# Altium PCB mppt.PcbDoc (part 4 of 5) (continued)
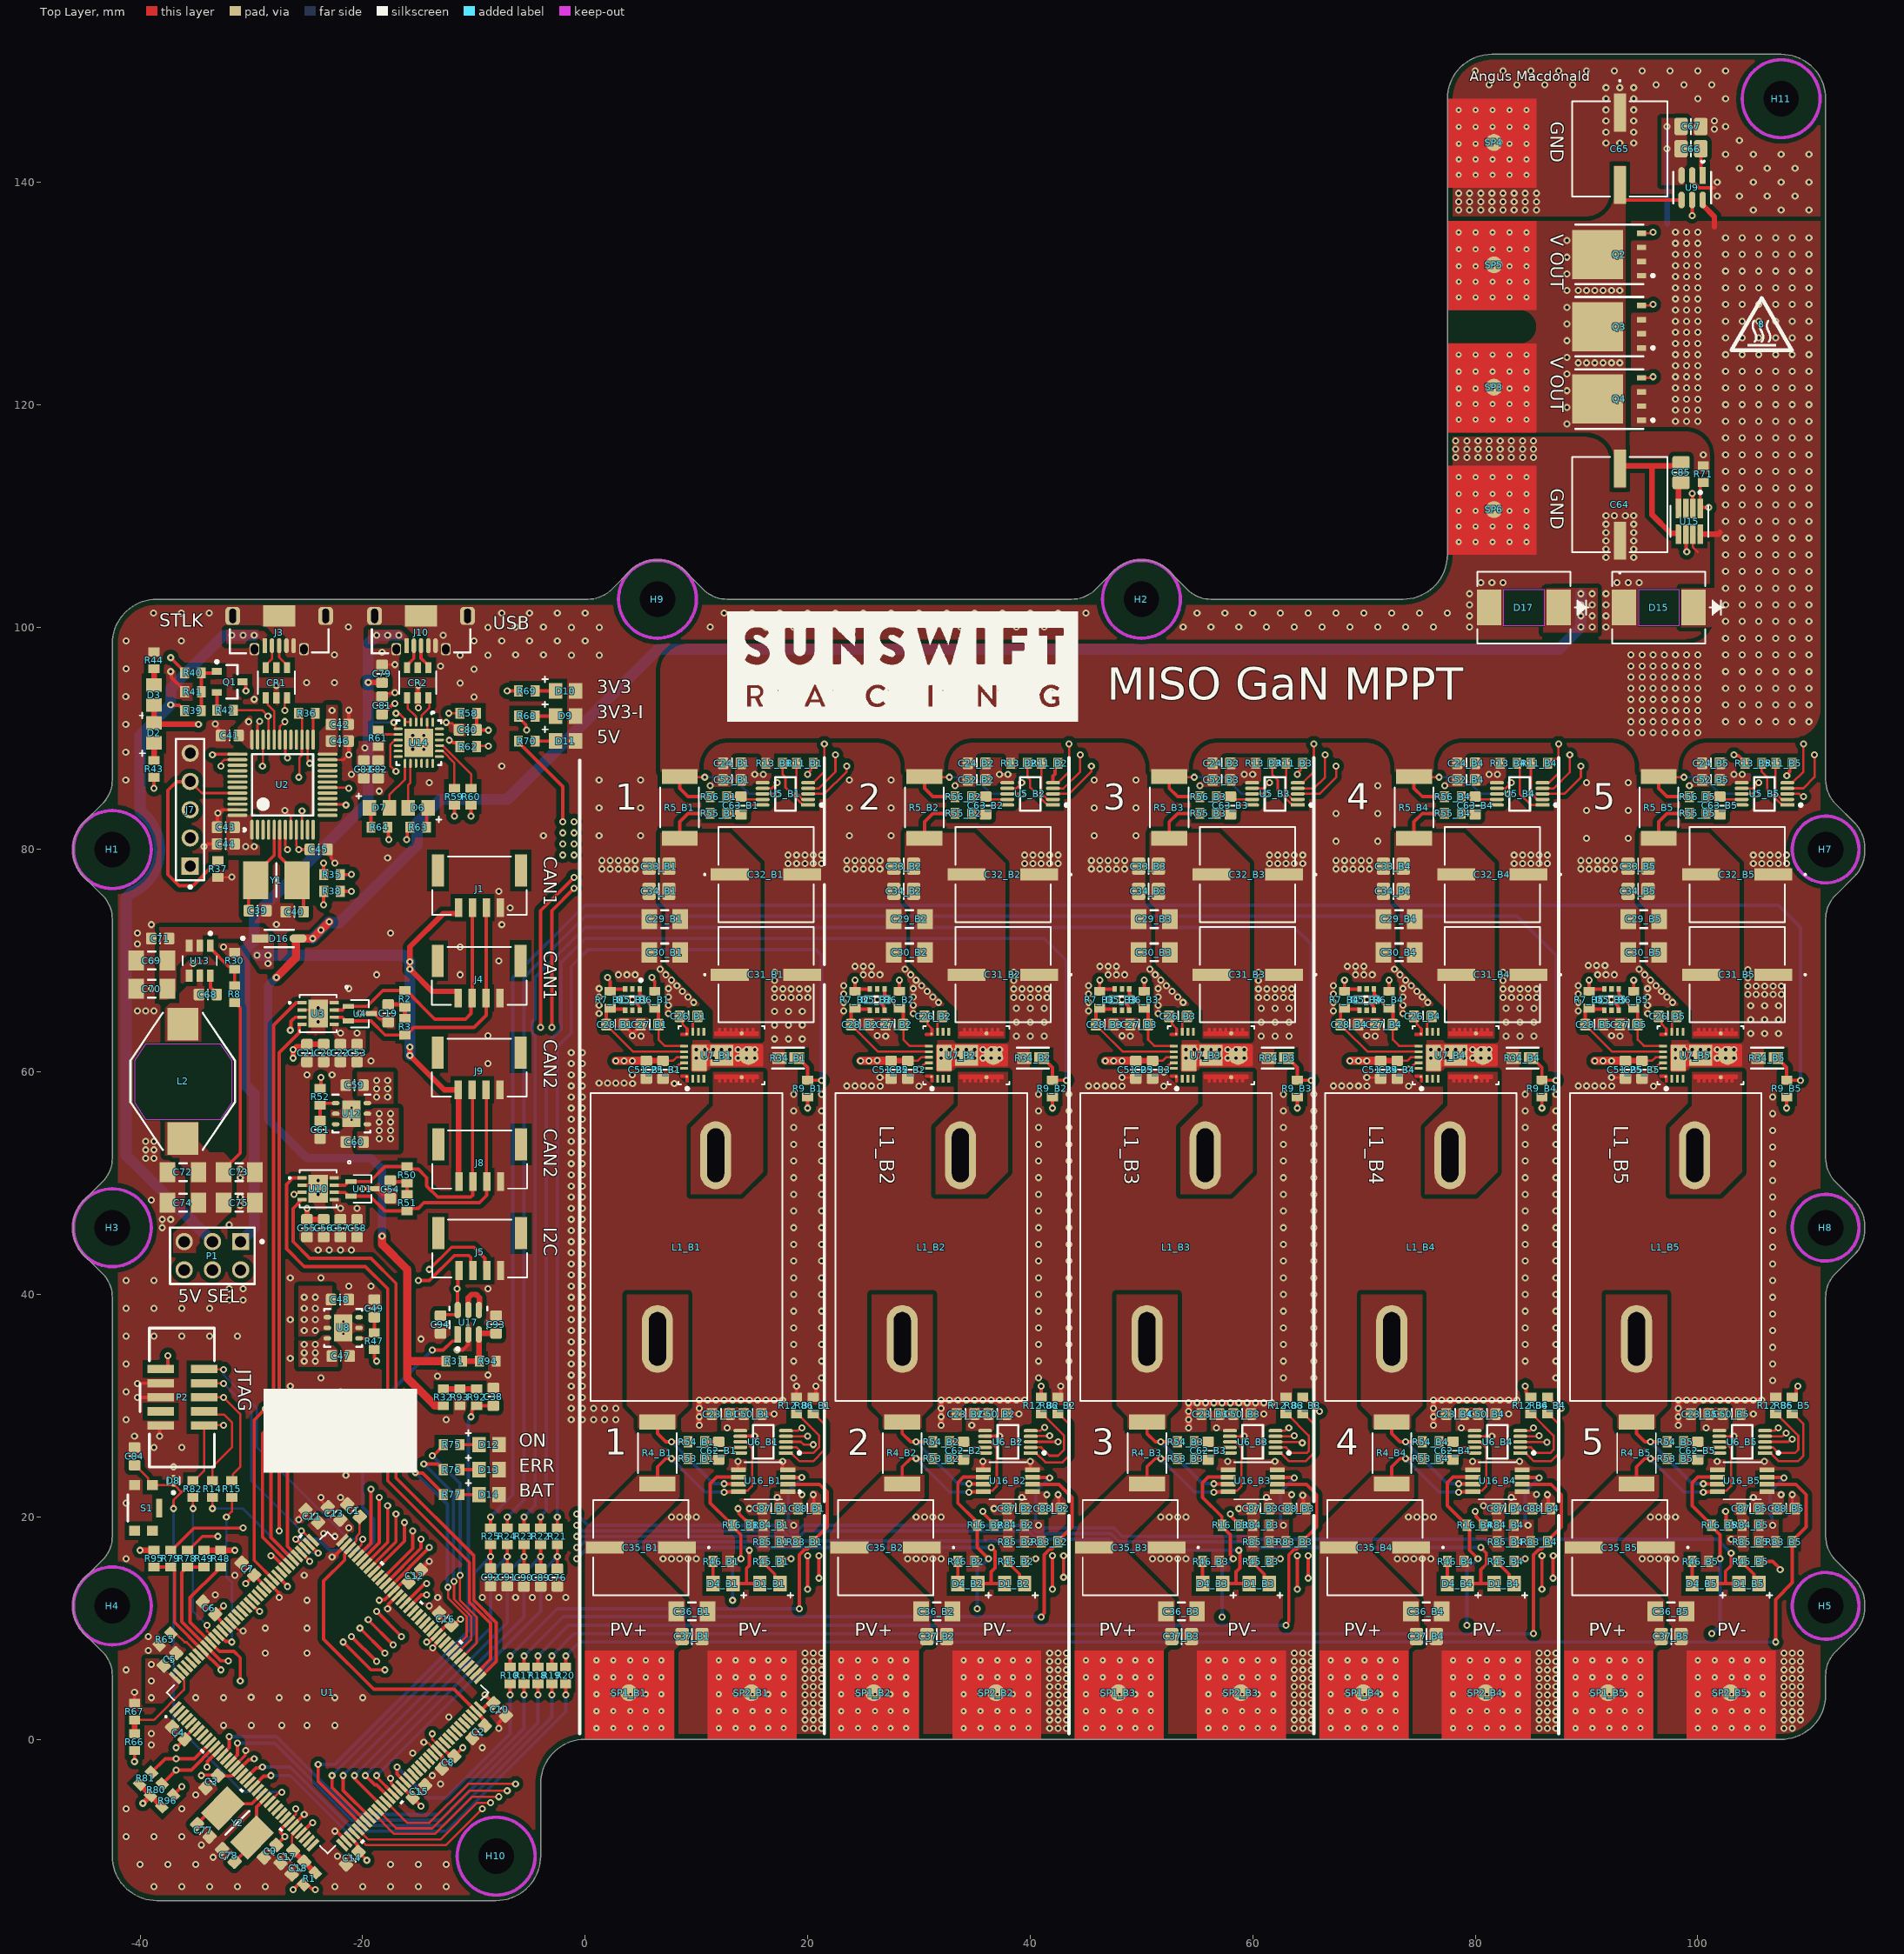
[diagram p0: Top Layer view]
## Nets (pads, with @x,y where several pads share a name; then routed paths per layer and width w, separated by ;. In a path a pad name is that pad's centre, name@x,y a point inside that pad or via, vN(x,y) a via of type N, cw(c..) or ccw(c..) an arc to the next point about the centre after c; other vN are vias at no path point) (continued)
  Top Layer w0.3: R76.1@-11.25,24.25 D13.A@-9.5,24.25
NetD14_A: D14.A R77.2 | length 1.7
  Top Layer w0.3: R77.2@-11.25,22 D14.A@-9.55,22
NetL1_B1_1: L1_B1.1 U7_B1.5
NetL1_B1_2: L1_B1.2 R4_B1.2 R54_B1.2 U16_B1.7 | length 11.7
  Top Layer w0.3: R4_B1.2@6.5,28.531 6.5,27.5 7.25,26.75 v1(7.75,26.75) R54_B1.2@9.25,26.75 ; v1(12.5,22.98) 12.528,22.953 13.756,22.953 U16_B1.7@13.784,22.925
  Bottom Layer w0.3: v1(7.75,26.75) 11.5,23 12.481,23 v1(12.5,22.98)
NetL1_B2_1: L1_B2.1 U7_B2.5
NetL1_B2_2: L1_B2.2 R4_B2.2 R54_B2.2 U16_B2.7 | length 11.7
  Top Layer w0.3: R4_B2.2@28.5,28.531 28.5,27.5 29.25,26.75 v1(29.75,26.75) R54_B2.2@31.25,26.75 ; v1(34.5,22.98) 34.528,22.953 35.756,22.953 U16_B2.7@35.784,22.925
  Bottom Layer w0.3: v1(29.75,26.75) 33.5,23 34.481,23 v1(34.5,22.98)
NetL1_B3_1: L1_B3.1 U7_B3.5
NetL1_B3_2: L1_B3.2 R4_B3.2 R54_B3.2 U16_B3.7 | length 11.7
  Top Layer w0.3: R4_B3.2@50.5,28.531 50.5,27.5 51.25,26.75 v1(51.75,26.75) R54_B3.2@53.25,26.75 ; v1(56.5,22.98) 56.528,22.953 57.756,22.953 U16_B3.7@57.784,22.925
  Bottom Layer w0.3: v1(51.75,26.75) 55.5,23 56.481,23 v1(56.5,22.98)
NetL1_B4_1: L1_B4.1 U7_B4.5
NetL1_B4_2: L1_B4.2 R4_B4.2 R54_B4.2 U16_B4.7 | length 11.7
  Top Layer w0.3: R4_B4.2@72.5,28.531 72.5,27.5 73.25,26.75 v1(73.75,26.75) R54_B4.2@75.25,26.75 ; v1(78.5,22.98) 78.528,22.953 79.756,22.953 U16_B4.7@79.784,22.925
  Bottom Layer w0.3: v1(73.75,26.75) 77.5,23 78.481,23 v1(78.5,22.98)
NetL1_B5_1: L1_B5.1 U7_B5.5
NetL1_B5_2: L1_B5.2 R4_B5.2 R54_B5.2 U16_B5.7 | length 11.7
  Top Layer w0.3: R4_B5.2@94.5,28.531 94.5,27.5 95.25,26.75 v1(95.75,26.75) R54_B5.2@97.25,26.75 ; v1(100.5,22.98) 100.528,22.953 101.756,22.953 U16_B5.7@101.784,22.925
  Bottom Layer w0.3: v1(95.75,26.75) 99.5,23 100.481,23 v1(100.5,22.98)
NetQ1_1: Q1.1 R39.2 R40.2 R41.1 | length 4.9
  Top Layer w0.3: R39.2@-34.5,92.475 R41.1@-34.5,94.175 R40.2@-34.5,95.875 -33.65,95.875 -33.25,95.875 Q1.1@-33.1,96.025
NetQ1_2: Q1.2 R42.2 | length 1.6
  Top Layer w0.3: R42.2@-33.1,92.525 Q1.2@-33.1,94.125
NetQ2_4: Q2.4 Q3.4 U9.5 | length 14.1
  Top Layer w0.203: Q3.4@94.95,128.905 v1@95.905,128.905 ; Q2.4@94.95,135.405 95.905,135.405 ccw(c95.905,135.5) v1(96,135.5)
  Top Layer w0.3: v1(99.5,137) U9.5@99.5,138.4
  Layer 2 w0.3: v1(96,129) v1(96,135.5) 97.5,137 v1(99.5,137)
NetQ4_4: Q4.4 U15.6 | length 19.7
  Top Layer w0.203: Q4.4@94.95,122.405 95.905,122.405 ccw(c95.905,122.5) v1(96,122.5)
  Top Layer w0.3: U15.6@98.925,108.349 98.97,108.304 98.97,106.818 v1(99.015,106.773)
  Layer 2 w0.3: v1(96,122.5) 96,109.75 v1@99,106.75
NetR8_1: R8.1 R30.2 U13.1 | length 4.7
  Top Layer w0.3: U13.1@-33.686,71.362 -33.686,71.112 -32.074,69.5 -31.75,69.5 R30.2@-31.5,69.25 R8.1@-31.5,67.75
NetR11_B1_1: R11_B1.1 U5_B1.2 | length 4
  Top Layer w0.203: R11_B1.1@19,87.75 19,85.071 19.571,84.5 U5_B1.2@20.051,84.5
NetR11_B2_1: R11_B2.1 U5_B2.2 | length 4
  Top Layer w0.203: R11_B2.1@41,87.75 41,85.071 41.571,84.5 U5_B2.2@42.051,84.5
NetR11_B3_1: R11_B3.1 U5_B3.2 | length 4
  Top Layer w0.203: R11_B3.1@63,87.75 63,85.071 63.571,84.5 U5_B3.2@64.051,84.5
NetR11_B4_1: R11_B4.1 U5_B4.2 | length 4
  Top Layer w0.203: R11_B4.1@85,87.75 85,85.071 85.571,84.5 U5_B4.2@86.051,84.5
NetR11_B5_1: R11_B5.1 U5_B5.2 | length 4
  Top Layer w0.203: R11_B5.1@107,87.75 107,85.071 107.571,84.5 U5_B5.2@108.051,84.5
NetR12_B1_2: R12_B1.2 U6_B1.2 | length 7.3
  Top Layer w0.203: U6_B1.2@18.051,26.25 19,26.25 19.5,25.75 20.522,25.75 21.046,26.274 21.046,27.304 19.1,29.25 R12_B1.2@19,29.25
NetR12_B2_2: R12_B2.2 U6_B2.2 | length 7.6
  Top Layer w0.203: U6_B2.2@40.051,26.25 41,26.25 41.75,25.5 42.5,25.5 43.046,26.046 43.046,27.304 41.1,29.25 R12_B2.2@41,29.25
NetR12_B3_2: R12_B3.2 U6_B3.2 | length 7.5
  Top Layer w0.203: U6_B3.2@62.051,26.25 63,26.25 63.5,25.75 64.881,25.75 65.046,25.915 65.046,27.304 63.1,29.25 R12_B3.2@63,29.25
NetR12_B4_2: R12_B4.2 U6_B4.2 | length 7.4
  Top Layer w0.203: U6_B4.2@84.051,26.25 85,26.25 85.5,25.75 86.75,25.75 87.046,26.046 87.046,27.304 85.1,29.25 R12_B4.2@85,29.25
NetR12_B5_2: R12_B5.2 U6_B5.2 | length 7.4
  Top Layer w0.203: U6_B5.2@106.051,26.25 106.06,26.241 106.759,26.241 107.25,25.75 108.75,25.75 109.046,26.046 109.046,27.304 107.1,29.25 R12_B5.2@107,29.25
NetR13_B1_1: R13_B1.1 U5_B1.1 | length 5
  Top Layer w0.203: R13_B1.1@17.75,87.75 17.75,86.75 18,86.5 18,85.571 19.43,84.141 19.438,84.141 19.579,84 U5_B1.1@20.051,84
NetR13_B2_1: R13_B2.1 U5_B2.1 | length 5
  Top Layer w0.203: R13_B2.1@39.75,87.75 39.75,86.5 40,86.25 40,85.571 41.43,84.141 41.438,84.141 41.579,84 U5_B2.1@42.051,84
NetR13_B3_1: R13_B3.1 U5_B3.1 | length 5
  Top Layer w0.203: R13_B3.1@61.75,87.75 61.75,86.75 62.25,86.25 62.25,85.321 63.43,84.141 63.438,84.141 63.579,84 U5_B3.1@64.051,84
NetR13_B4_1: R13_B4.1 U5_B4.1 | length 5.3
  Top Layer w0.203: R13_B4.1@83.75,87.75 84,87.5 84,85 85,84 U5_B4.1@86.051,84
NetR13_B5_1: R13_B5.1 U5_B5.1 | length 5
  Top Layer w0.203: R13_B5.1@105.75,87.75 105.75,87 106.25,86.5 106.25,85.321 107.43,84.141 107.438,84.141 107.579,84 U5_B5.1@108.051,84
NetR32_1: R32.1 R92.1 R93.2 | length 3
  Top Layer w0.5: R32.1@-12.75,31.5 R93.2@-11.25,31.5 R92.1@-9.75,31.5
NetR35_1: R35.1 U2.10 | length 11
  Top Layer w0.203: U2.10@-25.45,81.775 v1@-25.45,83.45
  Top Layer w0.3: R35.1@-22,77.75 v1(-21,77.75)
  Layer 2 w0.3: v1(-25.45,83.475) -24.225,83.475 -22.463,81.713 -22.463,80.851 -21,79.388 v1(-21,77.75)
NetR36_1: R36.1 U2.25 | length 2.5
  Top Layer w0.203: U2.25@-24.45,89.875 -24.45,92.05 R36.1@-24.25,92.25
NetR38_1: R38.1 U2.7 | length 12.1
  Top Layer w0.203: U2.7@-26.95,81.775 -26.95,80.317 -26.75,80.117 v1(-26.75,80)
  Top Layer w0.3: R38.1@-22,76.25 v1(-21,76.25)
  Layer 2 w0.3: v1(-26.75,80) -26.156,80.594 -22.844,80.594 -21.75,79.5 -21.75,77 v1(-21,76.25)
NetR58_2: R58.2 U14.5 U14.6 | length 8.2
  Top Layer w0.203: v1(-17,92.25) -16.917,92.167 -16.631,92.167 -16.2,91.736 U14.6@-16.2,91.451 U14.5@-15.7,91.451 ; v1(-12.25,92.25) R58.2@-11.25,92.25
  Layer 2 w0.203: v1(-17,92.25) -16.25,91.5 -13.5,91.5 -12.75,92.25 v1(-12.25,92.25)
NetR59_2: R59.2 U14.20 | length 4.1
  Top Layer w0.203: U14.20@-13.099,88.85 -12.814,88.85 -11.75,87.786 R59.2@-11.75,85.5
NetR60_2: R60.2 U14.21 | length 5.2
  Top Layer w0.203: U14.21@-13.099,89.35 -12.814,89.35 -10.25,86.786 R60.2@-10.25,85.5
NetR61_1: R61.1 U14.8 | length 2
  Top Layer w0.203: R61.1@-18.6,90.75 -18.5,90.75 -18.1,90.35 U14.8@-16.801,90.35
NetR62_2: R62.2 U14.9 | length 13.8
  Top Layer w0.203: v1@-17,87 -17.5,87.5 -17.5,89.436 -17.086,89.85 U14.9@-16.801,89.85 ; R62.2@-9.75,89.25 -9.7,89.3 v1(-8.7,89.3)
  Layer 2 w0.203: v1(-17,87.025) -10.975,87.025 v1(-8.7,89.3)
NetR65_1: R65.1 U1.138 | length 3.2
  Top Layer w0.203: R65.1@-37.22,9.53 -36.798,9.53 -35.996,8.729 -35.81,8.729 -34.832,7.75 U1.138@-34.75,7.75
NetR66_2: R66.2 R67.1 U1.143 | length 8.4
  Top Layer w0.203: R67.1@-40.5,1.75 -38.75,1.75 -36.045,4.455 -36.045,5.32 -36.497,5.772 U1.143@-36.497,5.879
  Top Layer w0.5: R66.2@-40.5,0.5 R67.1@-40.5,1.75
NetR82_1: R82.1 U1.134 | length 13.5
  Top Layer w0.203: v1(-35.25,20.75) R82.1@-35.25,21.75 ; v1(-34,10.25) -34,9.747 U1.134@-33.315,9.061
  Bottom Layer w0.203: v1(-35.25,20.75) -35.25,11.5 v1(-34,10.25)
NetR83_B1_1: R83_B1.1 R84_B1.2 R85_B1.2 U16_B1.3 | length 6.3
  Top Layer w0.3: U16_B1.3@18.216,23.575 18.238,23.553 19.447,23.553 v1(19.468,23.532)
  Bottom Layer w0.3: v1(18.75,19.25) 18.25,19.75 18.25,22.25 19.468,23.468 v1(19.468,23.532)
NetR83_B2_1: R83_B2.1 R84_B2.2 R85_B2.2 U16_B2.3 | length 6.4
  Top Layer w0.3: U16_B2.3@40.216,23.575 40.243,23.548 41.723,23.548 v1(41.75,23.52)
  Bottom Layer w0.3: v1(40.75,19.25) 40.75,19.341 40.5,19.591 40.5,22.27 v1(41.75,23.52)
NetR83_B3_1: R83_B3.1 R84_B3.2 R85_B3.2 U16_B3.3 | length 6.4
  Top Layer w0.3: U16_B3.3@62.216,23.575 62.243,23.548 63.723,23.548 v1(63.75,23.52)
  Bottom Layer w0.3: v1(62.75,19.25) 62.75,19.341 62.5,19.591 62.5,22.27 v1(63.75,23.52)
NetR83_B4_1: R83_B4.1 R84_B4.2 R85_B4.2 U16_B4.3 | length 6.4
  Top Layer w0.3: U16_B4.3@84.216,23.575 84.243,23.548 85.723,23.548 v1(85.75,23.52)
  Bottom Layer w0.3: v1(84.75,19.25) 84.75,19.341 84.5,19.591 84.5,22.27 v1(85.75,23.52)
NetR83_B5_1: R83_B5.1 R84_B5.2 R85_B5.2 U16_B5.3 | length 6.4
  Top Layer w0.3: U16_B5.3@106.216,23.575 106.243,23.548 107.723,23.548 v1(107.75,23.52)
  Bottom Layer w0.3: v1(106.742,19.258) 106.678,19.322 106.678,19.998 106.5,20.176 106.5,22.27 v1(107.75,23.52)
NetR86_B1_2: R86_B1.2 U6_B1.1 | length 7.9
  Top Layer w0.203: U6_B1.1@18.051,25.75 18.523,25.75 19.273,25 20.5,25 21.5,26 21.5,28.35 20.6,29.25 R86_B1.2@20.5,29.25
NetR86_B2_2: R86_B2.2 U6_B2.1 | length 8.3
  Top Layer w0.203: U6_B2.1@40.051,25.75 40.523,25.75 41.369,24.904 42.904,24.904 43.5,25.5 43.5,28.35 42.6,29.25 R86_B2.2@42.5,29.25
NetR86_B3_2: R86_B3.2 U6_B3.1 | length 8
  Top Layer w0.203: U6_B3.1@62.051,25.75 62.523,25.75 63.273,25 64.75,25 65.5,25.75 65.5,28.35 64.6,29.25 R86_B3.2@64.5,29.25
NetR86_B4_2: R86_B4.2 U6_B4.1 | length 8.1
  Top Layer w0.203: U6_B4.1@84.051,25.75 84.523,25.75 85.273,25 86.812,25 87.5,25.688 87.5,28.35 86.6,29.25 R86_B4.2@86.5,29.25
NetR86_B5_2: R86_B5.2 U6_B5.1 | length 8.2
  Top Layer w0.203: U6_B5.1@106.051,25.75 106.523,25.75 107.273,25 109,25 109.5,25.5 109.5,28.35 108.6,29.25 R86_B5.2@108.5,29.25
NetU17_4: U17.4 U17.5 | length 3.3
  Top Layer w0.5: U17.5@-10.5,38.6 -10.5,39.707 -10.207,40 -9.793,40 -9.5,39.707 U17.4@-9.5,38.75
NTC_1: R9_B1.1 R21.1 R34_B1.2 | length 89.3
  Top Layer w0.3: R21.1@-2.5,19 v1(-2.5,20) ; R34_B1.2@19.026,61.25 19.15,61.25 20,60.4 R9_B1.1@20,59.25 v1(21.25,59.25)
  Bottom Layer w0.3: v1(-2.5,20) -2.5,62.25 -1.25,63.5 -1.25,69.5 0.25,71 20.75,71 21.25,70.5 v1(21.25,59.25)
NTC_2: R9_B2.1 R22.1 R34_B2.2 | length 113.2
  Top Layer w0.3: R22.1@-4,19 v1(-4,20) ; R34_B2.2@41.026,61.25 41.15,61.25 42,60.4 R9_B2.1@42,59.25 v1(43.25,59.25)
  Bottom Layer w0.3: v1(-4,20) -4,20.085 -3.5,20.585 -3.5,62.5 -2.162,63.838 -2.162,69.838 0,72 41.25,72 43.25,70 v1(43.25,59.25)
NTC_3: R9_B3.1 R23.1 R34_B3.2 | length 138.3
  Top Layer w0.3: R23.1@-5.5,19 v1(-5.5,20) ; R34_B3.2@63.026,61.25 63.15,61.25 64,60.4 R9_B3.1@64,59.25 v1(65.25,59.25)
  Bottom Layer w0.3: v1(-5.5,20) -4.5,21 -4.5,63.25 -4.75,63.5 -4.75,64.5 -4.5,64.75 -4.5,68.5 0,73 63.75,73 65.25,71.5 v1(65.25,59.25)
NTC_4: R9_B4.1 R24.1 R34_B4.2 | length 161.6
  Top Layer w0.3: R24.1@-7,19 v1(-7,20) ; R34_B4.2@85.026,61.25 85.15,61.25 86,60.4 R9_B4.1@86,59.25 v1(87.25,59.25)
  Bottom Layer w0.3: v1(-7,20) -5.5,21.5 -5.5,68.5 0,74 83.75,74 87.25,70.5 v1(87.25,59.25)
NTC_5: R9_B5.1 R25.1 R34_B5.2 | length 187.1
  Top Layer w0.3: R25.1@-8.5,19 v1(-8.5,20) ; R34_B5.2@107.026,61.25 107.15,61.25 108,60.4 R9_B5.1@108,59.25 v1(109.25,59.25)
  Bottom Layer w0.3: v1(-8.5,20) -6.5,22 -6.5,68.5 0,75 107.25,75 109.25,73 v1(109.25,59.25)
OSC_IN: C77.2 U1.23 Y2.2 | length 6.9
  Top Layer w0.3: C77.2@-34.881,-7.619 -33.455,-6.192 Y2.2@-32.558,-6.192 -32.152,-5.785 -29.953,-5.785 U1.23@-29.072,-4.904
OSC_OUT: C78.2 U1.24 Y2.1 | length 6.9
  Top Layer w0.3: C78.2@-31.5,-11 -29.942,-9.442 Y2.1@-29.942,-8.808 -29.535,-8.402 -29.535,-6.074 U1.24@-28.718,-5.258
OUTPUT_CONNECTED: R77.1 U1.80 | length 21.9
  Top Layer w0.203: v1(-12.328,13.672) -12.328,12.7 -10.654,11.026 -10.654,9.271 U1.80@-11.925,8.001 U1.80@-12,8
  Top Layer w0.3: v1(-15.25,24) -15.186,23.936 -14.586,23.936 -12.75,22.1 R77.1@-12.75,22
  Bottom Layer w0.3: v1(-15.25,24) -12.383,21.133 -12.383,13.728 v1(-12.328,13.672)
PV_IN_B1: C35_B1.2 C36_B1.1 C37_B1.2 R4_B1.1 R53_B1.2 SP1_B1.SP U6_B1.8 U16_B1.8 | length 18
  Top Layer w0.203: U16_B1.8@13.784,22.275 13.867,22.358 14.608,22.358 15,22.75 15,26.179 14.429,26.75 U6_B1.8@13.949,26.75
  Top Layer w0.3: R4_B1.1@6.5,22.969 6.5,24.5 7.25,25.25 v1(7.75,25.25) R53_B1.2@9.25,25.25 ; v1(12.5,22.218) 12.528,22.247 13.756,22.247 U16_B1.8@13.784,22.275
  Bottom Layer w0.3: v1(7.75,25.25) 10.762,22.238 12.481,22.238 v1(12.5,22.218)
  other v2: 1.016,1.016 2.531,1.018 4.055,1.018 5.452,1.018 6.849,1.018 1.016,2.54 2.531,2.542 4.055,2.542 5.452,2.542 6.849,2.542 1.016,4.064 2.531,4.066 4.055,4.066 5.452,4.066 6.849,4.066 1.016,5.588 2.531,5.59 4.055,5.59 5.452,5.59 6.849,5.59 1.016,7.112 2.531,7.114 4.055,7.114 5.452,7.114 6.849,7.114
PV_IN_B2: C35_B2.2 C36_B2.1 C37_B2.2 R4_B2.1 R53_B2.2 SP1_B2.SP U6_B2.8 U16_B2.8 | length 18
  Top Layer w0.203: U16_B2.8@35.784,22.275 35.867,22.358 36.608,22.358 37,22.75 37,26.179 36.429,26.75 U6_B2.8@35.949,26.75
  Top Layer w0.3: R4_B2.1@28.5,22.969 28.5,24.5 29.25,25.25 v1(29.75,25.25) R53_B2.2@31.25,25.25 ; v1(34.5,22.218) 34.528,22.247 35.756,22.247 U16_B2.8@35.784,22.275
  Bottom Layer w0.3: v1(29.75,25.25) 32.762,22.238 34.481,22.238 v1(34.5,22.218)
  other v2: 23.016,1.016 24.531,1.018 26.055,1.018 27.452,1.018 28.849,1.018 23.016,2.54 24.531,2.542 26.055,2.542 27.452,2.542 28.849,2.542 23.016,4.064 24.531,4.066 26.055,4.066 27.452,4.066 28.849,4.066 23.016,5.588 24.531,5.59 26.055,5.59 27.452,5.59 28.849,5.59 23.016,7.112 24.531,7.114 26.055,7.114 27.452,7.114 28.849,7.114
PV_IN_B3: C35_B3.2 C36_B3.1 C37_B3.2 R4_B3.1 R53_B3.2 SP1_B3.SP U6_B3.8 U16_B3.8 | length 18
  Top Layer w0.203: U16_B3.8@57.784,22.275 57.867,22.358 58.608,22.358 59,22.75 59,26.179 58.429,26.75 U6_B3.8@57.949,26.75
  Top Layer w0.3: R4_B3.1@50.5,22.969 50.5,24.5 51.25,25.25 v1(51.75,25.25) R53_B3.2@53.25,25.25 ; v1(56.5,22.218) 56.528,22.247 57.756,22.247 U16_B3.8@57.784,22.275
  Bottom Layer w0.3: v1(51.75,25.25) 54.762,22.238 56.481,22.238 v1(56.5,22.218)
  other v2: 45.016,1.016 46.531,1.018 48.055,1.018 49.452,1.018 50.849,1.018 45.016,2.54 46.531,2.542 48.055,2.542 49.452,2.542 50.849,2.542 45.016,4.064 46.531,4.066 48.055,4.066 49.452,4.066 50.849,4.066 45.016,5.588 46.531,5.59 48.055,5.59 49.452,5.59 50.849,5.59 45.016,7.112 46.531,7.114 48.055,7.114 49.452,7.114 50.849,7.114
PV_IN_B4: C35_B4.2 C36_B4.1 C37_B4.2 R4_B4.1 R53_B4.2 SP1_B4.SP U6_B4.8 U16_B4.8 | length 18
  Top Layer w0.203: U16_B4.8@79.784,22.275 79.867,22.358 80.608,22.358 81,22.75 81,26.179 80.429,26.75 U6_B4.8@79.949,26.75
  Top Layer w0.3: R4_B4.1@72.5,22.969 72.5,24.5 73.25,25.25 v1(73.75,25.25) R53_B4.2@75.25,25.25 ; v1(78.5,22.218) 78.528,22.247 79.756,22.247 U16_B4.8@79.784,22.275
  Bottom Layer w0.3: v1(73.75,25.25) 76.762,22.238 78.481,22.238 v1(78.5,22.218)
  other v2: 67.016,1.016 68.531,1.018 70.055,1.018 71.452,1.018 72.849,1.018 67.016,2.54 68.531,2.542 70.055,2.542 71.452,2.542 72.849,2.542 67.016,4.064 68.531,4.066 70.055,4.066 71.452,4.066 72.849,4.066 67.016,5.588 68.531,5.59 70.055,5.59 71.452,5.59 72.849,5.59 67.016,7.112 68.531,7.114 70.055,7.114 71.452,7.114 72.849,7.114
PV_IN_B5: C35_B5.2 C36_B5.1 C37_B5.2 R4_B5.1 R53_B5.2 SP1_B5.SP U6_B5.8 U16_B5.8 | length 18
  Top Layer w0.203: U16_B5.8@101.784,22.275 101.867,22.358 102.608,22.358 103,22.75 103,26.179 102.429,26.75 U6_B5.8@101.949,26.75
  Top Layer w0.3: R4_B5.1@94.5,22.969 94.5,24.5 95.25,25.25 v1(95.75,25.25) R53_B5.2@97.25,25.25 ; v1(100.5,22.218) 100.528,22.247 101.756,22.247 U16_B5.8@101.784,22.275
  Bottom Layer w0.3: v1(95.75,25.25) 98.762,22.238 100.481,22.238 v1(100.5,22.218)
  other v2: 89.016,1.016 90.531,1.018 92.055,1.018 93.452,1.018 94.849,1.018 89.016,2.54 90.531,2.542 92.055,2.542 93.452,2.542 94.849,2.542 89.016,4.064 90.531,4.066 92.055,4.066 93.452,4.066 94.849,4.066 89.016,5.588 90.531,5.59 92.055,5.59 93.452,5.59 94.849,5.59 89.016,7.112 90.531,7.114 92.055,7.114 93.452,7.114 94.849,7.114
PV_OUT_B1: C29_B1.1 C30_B1.1 C31_B1.2 C32_B1.2 C33_B1.2 C34_B1.2 R5_B1.1 R55_B1.2 U7_B1.7 | length 4.6
  Top Layer w0.3: R5_B1.1@8.5,81 8.5,82.5 9.25,83.25 R55_B1.2@11.25,83.25
PV_OUT_B2: C29_B2.1 C30_B2.1 C31_B2.2 C32_B2.2 C33_B2.2 C34_B2.2 R5_B2.1 R55_B2.2 U7_B2.7 | length 4.6
  Top Layer w0.3: R5_B2.1@30.5,81 30.5,82.5 31.25,83.25 R55_B2.2@33.25,83.25
PV_OUT_B3: C29_B3.1 C30_B3.1 C31_B3.2 C32_B3.2 C33_B3.2 C34_B3.2 R5_B3.1 R55_B3.2 U7_B3.7 | length 4.6
  Top Layer w0.3: R5_B3.1@52.5,81 52.5,82.5 53.25,83.25 R55_B3.2@55.25,83.25
PV_OUT_B4: C29_B4.1 C30_B4.1 C31_B4.2 C32_B4.2 C33_B4.2 C34_B4.2 R5_B4.1 R55_B4.2 U7_B4.7 | length 4.6
  Top Layer w0.3: R5_B4.1@74.5,81 74.5,82.5 75.25,83.25 R55_B4.2@77.25,83.25
PV_OUT_B5: C29_B5.1 C30_B5.1 C31_B5.2 C32_B5.2 C33_B5.2 C34_B5.2 R5_B5.1 R55_B5.2 U7_B5.7 | length 4.6
  Top Layer w0.3: R5_B5.1@96.5,81 96.5,82.5 97.25,83.25 R55_B5.2@99.25,83.25
RENUM: R40.1 U2.38 | length 17
  Top Layer w0.203: v1(-32.75,87.5) -32.667,87.583 -32.667,87.833 -32.425,88.075 U2.38@-31.25,88.075
  Top Layer w0.3: v1(-37.25,97.25) -37.25,97.225 -36,95.975 R40.1@-36,95.875
  Layer 2 w0.3: v1(-37.25,97.25) -38,96.5 -38,92.5 -35.25,89.75 -33.5,89.75 -32.75,89 v1(-32.75,87.5)
SCL1: R49.1 R78.2 U1.136 U6_B1.5 U6_B2.5 U6_B3.5 U6_B4.5 U6_B5.5 | length 233.1
  Top Layer w0.203: U6_B1.5@18.051,27.75 19.133,27.75 19.383,28 v1(19.5,28) ; U6_B2.5@40.051,27.75 40.932,27.75 41.227,28.045 v1(41.295,28.045) ; U6_B3.5@62.051,27.75 62.932,27.75 63.182,28 v1(63.25,28) ; U6_B4.5@84.051,27.75 84.932,27.75 85.182,28 v1(85.25,28) ; U6_B5.5@106.051,27.75 106.932,27.75 107.182,28 v1(107.25,28)
  Top Layer w0.3: R49.1@-34.25,15.5 R78.2@-35.75,15.5 -35.85,15.5 -36.1,15.25 -36.1,15.15 -36.25,15 -36.25,10.582 U1.136@-34.022,8.354 -32.732,7.064 v1(-32.064,7.064)
  Layer 2 w0.3: v1(-32.064,7.064) -32,7 -22.409,7 -18.409,11 -14,11 -9.5,15.5 22.5,15.5 ; v1(19.5,28) 20.75,28 22.5,26.25 22.5,15.5 ; v1(41.295,28.045) 41.341,28 42.659,28 44.5,26.159 44.5,15.5 ; v1(63.25,28) 65.25,28 66.5,26.75 66.5,15.5 ; v1(85.25,28) 86.75,28 88.5,26.25 88.5,15.5 ; v1(107.25,28) 107.25,26.25 109.345,24.155 109.345,21.02 103.824,15.5 88.5,15.5 ; 22.5,15.5 44.5,15.5 ; 44.5,15.5 66.5,15.5 ; 66.5,15.5 88.5,15.5
SCL2: J5.2 R11_B2.2 R11_B4.2 R78.1 R80.1 U1.11 U5_B1.5 U5_B2.5 U5_B3.5 U5_B4.5 U5_B5.5 | length 260.4
  Top Layer w0.203: U5_B1.5@20.051,86 20.5,86 21.5,87 v1(21.5,89.5) ; U5_B2.5@42.051,86 42.5,86 43.5,87 v1(43.5,89.5) ; U5_B3.5@64.051,86 64.5,86 65.5,87 v1(65.5,89.5) ; U5_B4.5@86.051,86 86.072,86.021 86.654,86.021 87.5,86.867 87.5,88.183 ; R11_B4.2@86.5,87.75 86.5,87.85 86.798,88.148 87.465,88.148 87.5,88.183 ; v1(87.5,89.5) 87.5,88.183 ; U5_B5.5@108.051,86 108.5,86 109.5,87 v1(109.5,89.5)
  Top Layer w0.3: R80.1@-38,-4 v1(-36.75,-2.75) -35.403,-2.75 U1.11@-33.315,-0.661 ; R78.1@-35.75,17 -35.65,17 -34.4,18.25 v1(-33,18.25) ; v1(-15,41.25) -14,41.25 -11.75,43.5 -10.456,43.5 -10.28,43.324 -10.28,42.53 J5.2@-10,42.25 ; U5_B2.5@42.051,86 42.051,86.606 42.25,86.805 42.25,87.5 R11_B2.2@42.5,87.75
  Layer 2 w0.3: v1(-36.75,-2.75) -38.25,-1.25 -38.25,13 -36.5,14.75 v1(-33,18.25) -33,19.25 -32.844,19.406 -32.844,20.246 -28.41,24.68 -27.229,24.68 -15,36.909 v1(-15,41.25) -15,74.75 -0.25,89.5 v1(21.5,89.5) v1(43.5,89.5) v1(65.5,89.5) v1(87.5,89.5) v1(109.5,89.5)
SDA1: R12_B2.1 R12_B4.1 R79.2 R86_B5.1 R95.1 U1.137 U6_B1.4 U6_B2.4 U6_B3.4 U6_B4.4 U6_B5.4 | length 256.5
  Top Layer w0.203: U6_B1.4@18.051,27.25 v1(20,27.25) ; U6_B2.4@40.051,27.25 40.072,27.271 41.725,27.271 v1(41.75,27.296) ; U6_B3.4@62.051,27.25 62.057,27.256 63.71,27.256 v1(63.75,27.296) ; U6_B4.4@84.051,27.25 84.057,27.256 85.71,27.256 v1(85.75,27.296) ; U6_B5.4@106.051,27.25 107.626,27.25 107.922,27.546 v1(107.961,27.546)
  Top Layer w0.3: R95.1@-38.75,15.5 R79.2@-37.25,15.5 ; R79.2@-37.15,15.5 -36.9,15.25 -36.9,10.525 U1.137@-34.375,8.001 -34.375,7.961 -32.75,6.336 v1(-32.75,6.25) ; v1(21,14.5) v1(21,16.5) ; R12_B2.1@41,30.75 v1(41,31.75) ; v1(43,14.575) v1(43,16.5) ; v1(65,14.5) v1(65,16.5) ; v1(84.5,31.75) 84.564,31.686 84.564,31.186 84.65,31.1 84.65,31 84.9,30.75 R12_B4.1@85,30.75 ; v1(87,14.5) v1@87,16.5 ; R86_B5.1@108.5,30.75 108.6,30.75 108.85,31 108.85,31.509 109,31.659 v1(109,31.75)
  Layer 2 w0.3: v1(-32.75,6.25) -22.5,6.25 -18.25,10.5 -13.5,10.5 -9.5,14.5 v1(21,14.5) 21.037,14.537 42.963,14.537 v1(43,14.575) 43.037,14.537 64.963,14.537 v1(65,14.5) v1(87,14.5) 104,14.5 110,20.5 110,24.5 107.905,26.595 107.905,27.49 v1(107.961,27.546) 107.961,30.711 v1(109,31.75) ; v1(20,27.25) 20.018,27.232 20.767,27.232 22,26 22,17.5 v1(21,16.5) ; v1(41,31.75) 41,31.659 40.25,30.909 40.25,28 40.89,27.36 41.686,27.36 v1(41.75,27.296) 41.798,27.344 42.746,27.344 44,26.091 44,17.5 v1(43,16.5) ; v1(63.75,27.296) 64.954,27.296 66,26.25 66,17.5 v1(65,16.5) ; v1(84.5,31.75) 84.5,27.75 84.89,27.36 85.686,27.36 v1(85.75,27.296) 86.698,27.296 88,25.994 88,17.506 v1(87.013,16.519)
SDA2: J5.3 R13_B5.2 R79.1 R81.1 U1.10 U5_B1.4 U5_B2.4 U5_B3.4 U5_B4.4 U5_B5.4 | length 262.6
  Top Layer w0.203: U5_B1.4@20.051,85.5 21,85.5 22.5,87 v1(22.5,88.5) ; U5_B2.4@42.051,85.5 43,85.5 44.5,87 v1(44.5,88.5) ; U5_B3.4@64.051,85.5 65.5,85.5 66.5,86.5 v1(66.5,88.5) ; U5_B4.4@86.051,85.5 86.057,85.494 87.063,85.494 88.5,86.931 v1(88.5,88.5) ; U5_B5.4@108.051,85.5 108.057,85.506 109.494,85.506 110.5,86.512 v1(110.5,88.5)
  Top Layer w0.3: R81.1@-38.97,-2.97 -37.75,-1.75 v1(-36.75,-1.75) -35.11,-1.75 U1.10@-33.668,-0.308 ; R79.1@-37.25,17 -37.15,17 -35.155,18.995 -30.755,18.995 v1(-30.75,19) ; v1(-14,42.25) -12,44.25 -10,44.25 -9,43.25 J5.3@-9,42.25 ; v1(103.25,88.5) 103.314,88.436 103.664,88.436 104.25,87.85 R13_B5.2@104.25,87.75
  Layer 2 w0.3: v1(-36.75,-1.75) -37.5,-1 -37.5,12.25 v1(-30.75,19) -14,35.75 v1(-14,42.25) -14,74.75 -0.25,88.5 v1(22.5,88.5) v1(44.5,88.5) v1(66.5,88.5) v1(88.5,88.5) v1(103.25,88.5) v1(110.5,88.5)
T_CLK: P2.4 U1.109 U2.15 U2.26 | length 86.2
  Top Layer w0.203: P2.4@-34.25,32.02 -34.23,32 v1(-32.5,32) ; v1(-25.5,18.75) -25.413,18.75 -24.663,18 U1.109@-24.5,18 ; U2.26@-24.95,89.875 -24.95,88.067 -24.75,87.867 v1(-24.75,87.75) ; U2.15@-23.15,84.075 -23.131,84.056 -21.556,84.056 v1(-21.5,84)
  Layer 2 w0.203: v1(-32.5,32) -29.25,35.25 -29.25,65.25 -19.75,74.75 -19.75,79.25 -21.5,81 v1(-21.5,84) -24.75,87.25 v1(-24.75,87.75)
  Bottom Layer w0.203: v1(-32.5,32) -30,29.5 -30,23.228 -25.522,18.75 v1(-25.5,18.75)
T_DIO: P2.2 R36.2 U1.105 U2.27 | length 91
  Top Layer w0.203: P2.2@-34.25,33.29 -34.21,33.25 v1(-32.5,33.25) ; v1(-25.75,86.5) -25.667,86.583 -25.667,88.275 -25.468,88.474 -25.468,89.856 U2.27@-25.45,89.875 -25.45,91.85 -25.75,92.15 R36.2@-25.75,92.25 ; U1.105@-20.764,16.84 -20.764,16.861 -20.083,17.542 -20.083,17.917 v1(-20,18)
  Layer 2 w0.203: v1(-32.5,33.25) -29.75,36 -29.75,65.5 -20.25,75 -20.25,79.137 -22.11,80.997 -22.11,82.86 v1(-25.75,86.5)
  Bottom Layer w0.203: v1(-32.5,33.25) -32.5,32.772 -29.5,29.772 -29.5,26.25 -21.25,18 v1(-20,18)
T_RST: C84.2 D8.1 P2.10 R82.2 S1.1 U1.25 U2.18 | length 114.7
  Top Layer w0.203: C84.2@-40.5,24.65 -40.448,24.65 -39.298,23.501 -39.298,23.198 -38.85,22.75 S1.1@-38.75,22.75 ; S1.1@-38.75,22.85 -37.048,22.85 D8.1@-37,22.898 ; v1(-37,20.75) -37,21.5 -36.281,22.219 ; D8.1@-37,22.938 -37,22.875 -36.952,22.827 -36.889,22.827 -36.281,22.219 ; R82.2@-35.25,23.25 -35.35,23.25 -35.648,22.952 -35.648,22.852 -36.281,22.219 ; R82.2@-35.15,23.25 -34.25,24.15 P2.10@-34.25,28.21 -34.21,28.25 v1(-32.5,28.25) ; U1.25@-28.25,-5.5 -27.583,-4.833 -27.333,-4.833 v1(-27.25,-4.75) ; U2.18@-23.15,85.575 -23.131,85.557 -21.307,85.557 v1(-21.25,85.5)
  Layer 2 w0.203: v1(-32.5,28.25) -28.25,32.5 -28.25,64.75 -18.75,74.25 -18.75,79.5 -20.5,81.25 -20.5,84.75 v1(-21.25,85.5)
  Bottom Layer w0.203: v1(-37,20.75) -37,1.5 -30.75,-4.75 v1(-27.25,-4.75)
T_SWO: P2.6 R15.2 U2.31 | length 81.4
  Top Layer w0.203: P2.6@-34.25,30.75 v1(-32.5,30.75) -31,29.25 -31,24.5 -31.664,23.836 -31.664,23.336 R15.2@-31.75,23.25 ; U2.31@-27.45,89.875 -27.45,91.05 v1(-27,91.5)
  Layer 2 w0.203: v1(-32.5,30.75) -28.75,34.5 -28.75,65 -19.25,74.5 -19.25,79.25 -20.954,80.954 -20.954,84.226 -21.682,84.954 -24.204,87.476 -24.204,88.704 v1(-27,91.5)
TDI: P2.8 R14.2 | length 8.9
  Top Layer w0.203: P2.8@-34.25,29.48 -33.972,29.202 -32.452,29.202 -31.75,28.5 -31.75,26.25 -33.5,24.5 R14.2@-33.5,23.25
UART_RX: R60.1 U1.116 | length 77
  Top Layer w0.3: v1(-28.25,16.5) -28.186,16.436 -27.961,16.436 U1.116@-26.951,15.425 ; v1(-27.5,18.75) v1@-27.5,25.25 ; v1(-10.25,83) R60.1@-10.25,84
  Layer 2 w0.3: v1(-28.25,16.5) -27.5,17.25 v1(-27.5,18.75) ; v1(-27.5,25.275) -26.906,25.869 -26.906,27.156 -27.25,27.5 -27.25,64.25 -10.25,81.25 v1(-10.25,83)
UART_TX: R59.1 U1.113 | length 74.9
  Top Layer w0.3: v1(-27.5,26.25) -26.75,25.5 -26.75,17.346 U1.113@-25.89,16.486 ; v1(-11.75,83) R59.1@-11.75,84
  Layer 2 w0.3: v1(-27.5,26.25) -27.5,26.341 -27.75,26.591 -27.75,64.5 -11.75,80.5 v1(-11.75,83)